# Allegro board RK_NVR_DEMO_RK3568_DDR4P216SD4_V12_20201221YWQ_final.brd (continued)
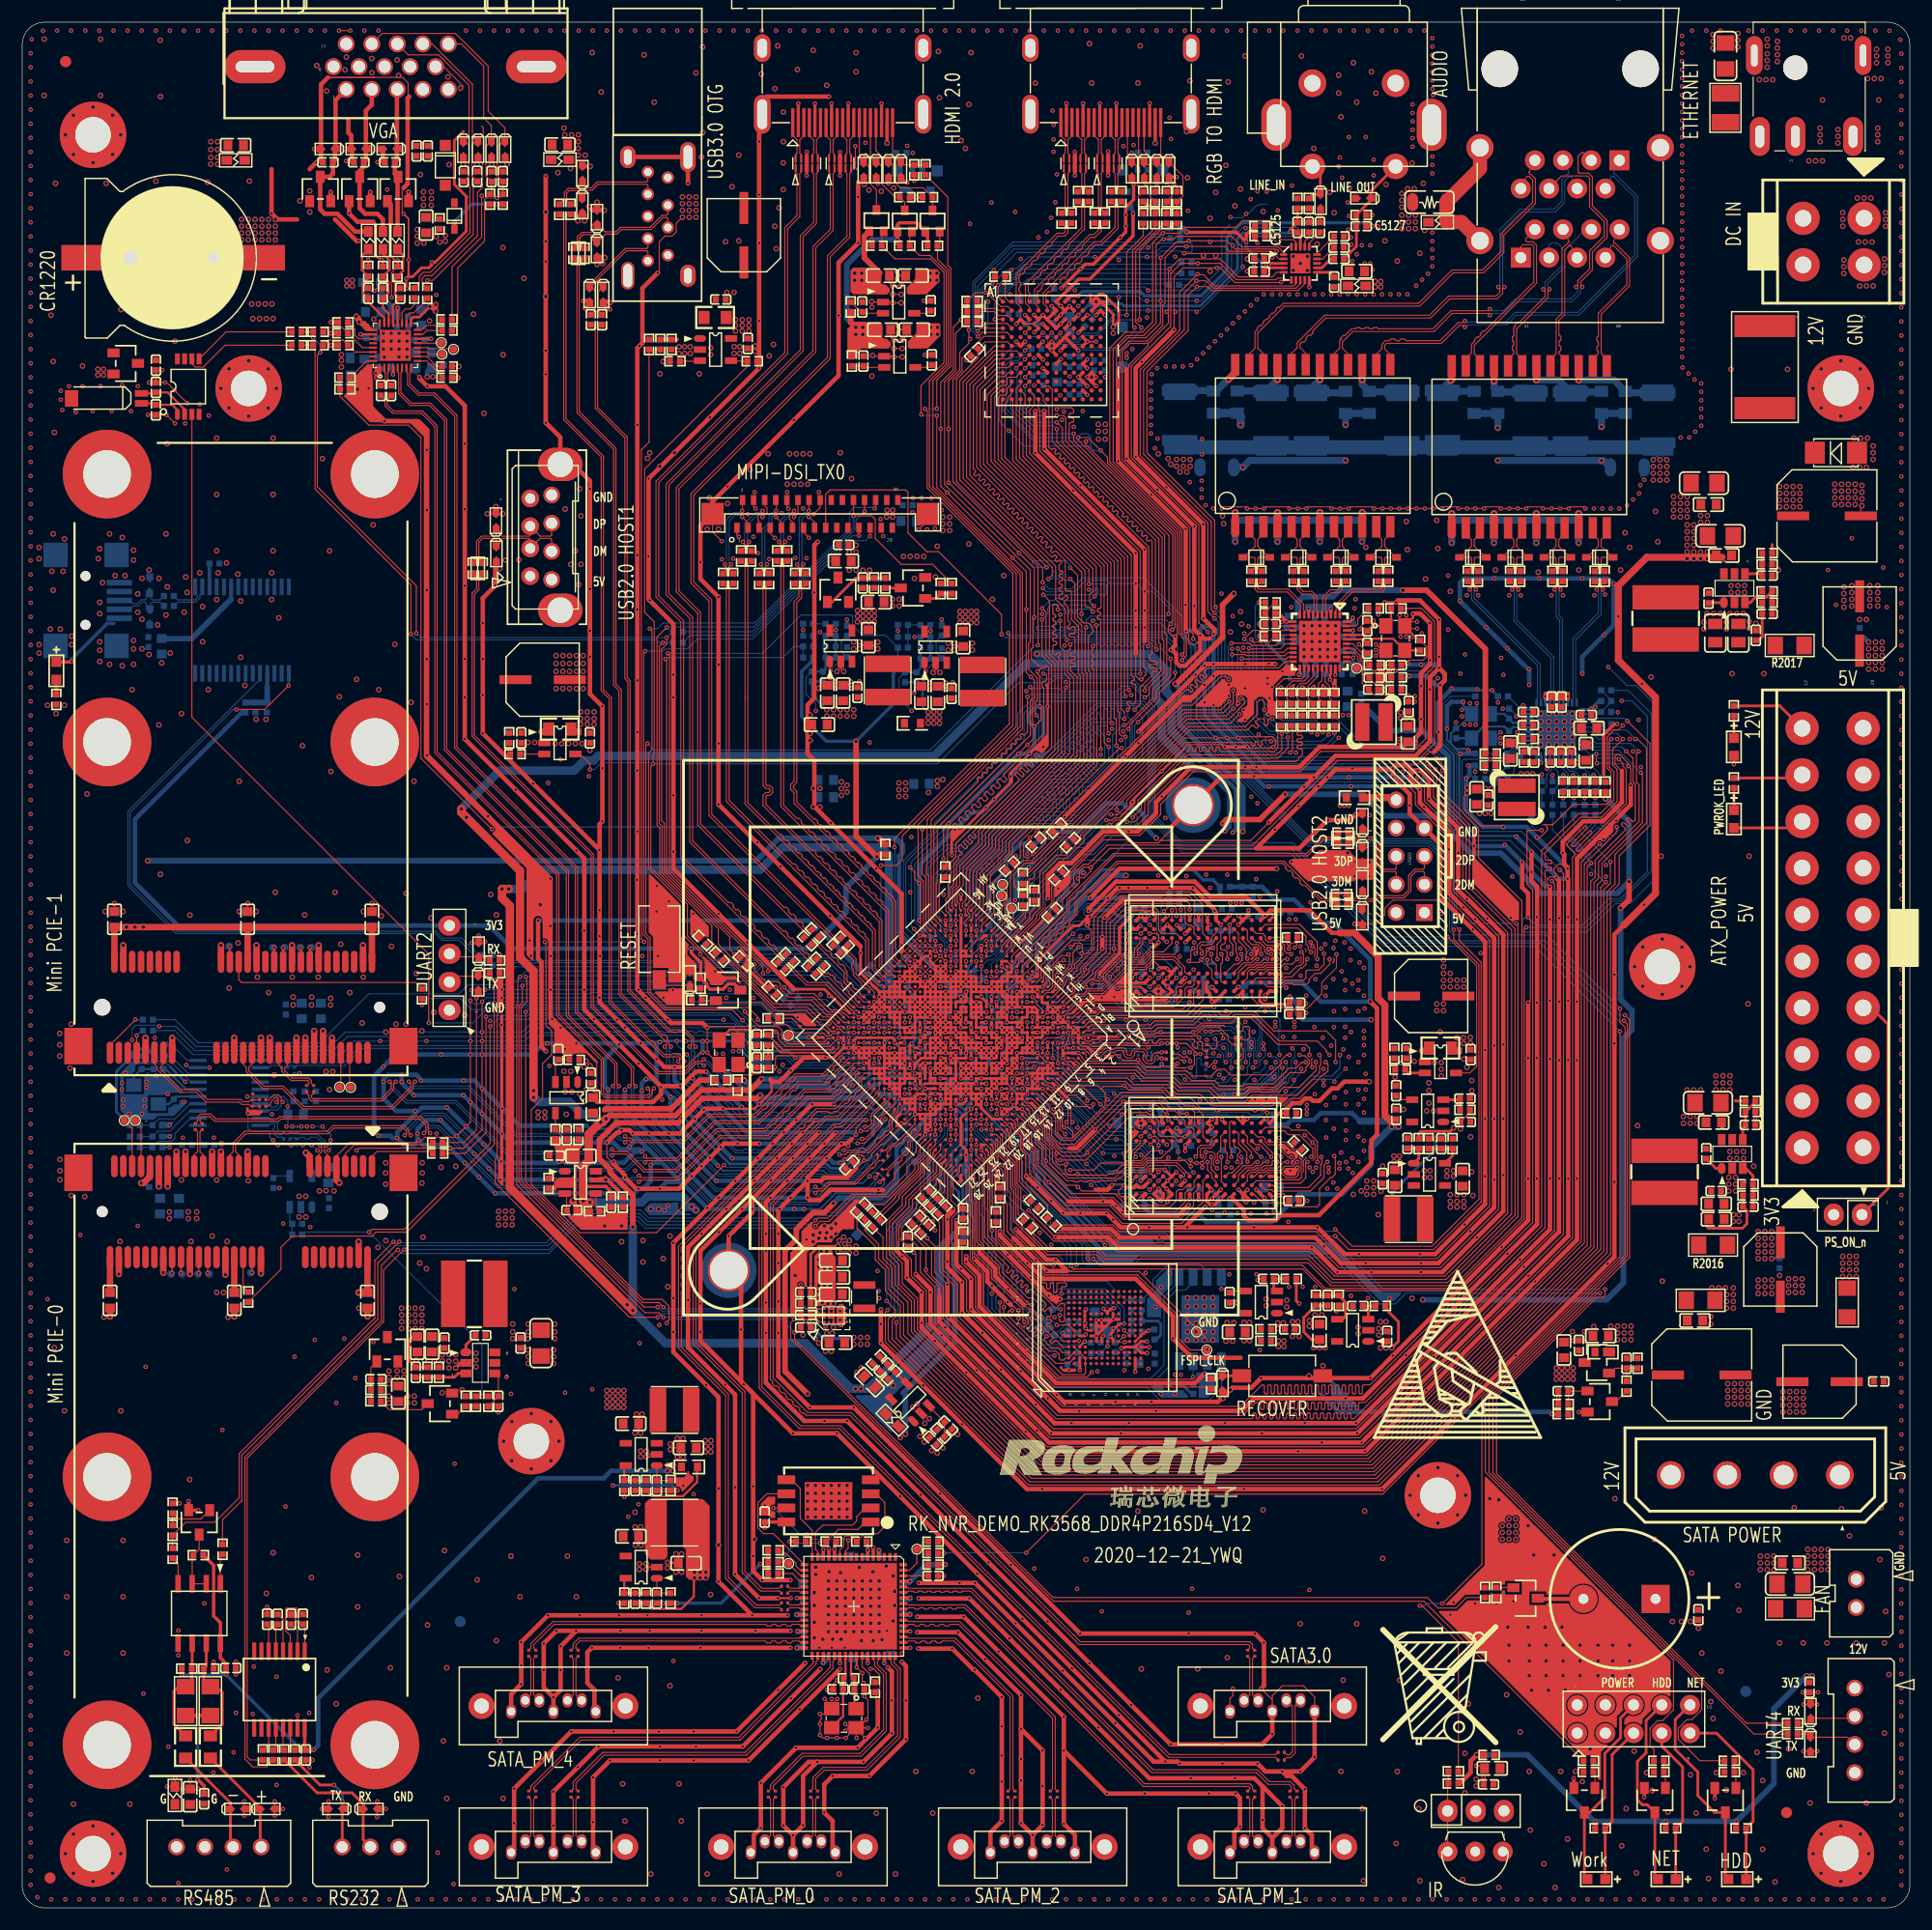
[diagram p0: board, top side]
## Placement (name value [footprint] x y rotation side) (continued)
R6717  4.7K  [R0402]  135.7 105.37 0 top
R6718  4.7K  [R0402]  135.3 103.75 90 top
R6719  4.7K  [R0402]  131.36 102.97 180 bottom
R6720  4.7K  [R0402]  132.28 103 180 top
R6721  4.7K  [R0402]  131.36 101.76 180 bottom
R6722  2.49K  [R0402]  133.42 109.21 180 bottom
R6724  4.7K  [R0402]  141.75 101.11 90 bottom
R6725  4.7K  [R0402]  141.74 101.03 270 top
R6726  4.7K  [R0402]  136.92 101.11 90 bottom
R6727  4.7K  [R0402]  137.89 101.11 90 bottom
R6728  4.7K  [R0402]  138.85 101.11 90 bottom
R6729  4.7K  [R0402]  138.85 101.03 270 top
R6730  4.7K  [R0402]  139.82 101.11 90 bottom
R6731  4.7K  [R0402]  139.82 101.03 270 top
R6732  0R  [R0402]  142.65 101.03 90 top
R6733  4.7K  [R0402]  140.78 101.11 90 bottom
R6734  4.7K  [R0402]  140.78 101.03 270 top
R6736  0R  [R0402]  132.28 104.04 0 top
R6737  1.8K  [R0402]  142.72 106.72 180 bottom
R6738  4.7K  [R0402]  142.72 108.79 0 bottom
R6739  0R  [R0402]  142.72 109.75 180 bottom
R6740  22R  [R0402]  138.85 98.97 270 bottom
R6741  22R  [R0402]  139.82 98.97 270 bottom
R6742  22R  [R0402]  140.78 98.97 270 bottom
R6743  22R  [R0402]  141.75 98.97 270 bottom
R6744  22R  [R0402]  136.92 98.97 270 bottom
R6745  22R  [R0402]  137.89 98.97 270 bottom
R6746  75R  [R0805]  144.44 135.7 270 bottom
R6747  75R  [R0805]  142.3 135.7 270 bottom
R6748  75R  [R0805]  132.95 135.7 270 bottom
R6749  75R  [R0805]  130.82 135.7 270 bottom
R6800  0R  [R0402]  110.74 120.04 90 top
R6801  0R  [R0402]  111.66 120.04 90 top
R6802  0R  [R0402]  114.55 120.04 90 top
R6803  0R  [R0402]  115.47 120.04 90 top
R6804  0R  [R0402]  125.97 113.8 90 top
R6805  0R  [R0402]  118.36 120.04 90 top
R6806  0R  [R0402]  119.28 120.04 90 top
R6807  0R  [R0402]  122.17 120.04 90 top
R6808  0R  [R0402]  123.78 117.14 180 top
R6809  0R  [R0402]  123.09 120.04 90 top
R6810  100R  [R0402]  121.83 112.02 180 top
R6813  120R  [R0402]  122.89 112.09 180 bottom
R6817  4.7K  [R0402]  119.47 113.29 180 bottom
R6818  4.7K  [R0402]  119.87 111.68 90 bottom
R6819  4.7K  [R0402]  123.81 110.92 0 top
R6820  4.7K  [R0402]  122.89 110.92 0 bottom
R6821  4.7K  [R0402]  123.81 109.79 0 top
R6822  2.49K  [R0402]  121.75 117.14 0 top
R6823  4.7K  [R0402]  113.42 109.01 270 top
R6825  4.7K  [R0402]  118.25 109.01 90 top
R6826  4.7K  [R0402]  118.2 108.98 270 bottom
R6827  4.7K  [R0402]  117.28 109.01 90 top
R6828  4.7K  [R0402]  116.32 109.01 90 top
R6829  4.7K  [R0402]  116.32 108.99 270 bottom
R6830  4.7K  [R0402]  115.35 109.01 90 top
R6831  4.7K  [R0402]  115.35 108.99 270 bottom
R6832  0R  [R0402]  120.67 108.99 90 bottom
R6833  4.7K  [R0402]  114.39 109.01 90 top
R6834  4.7K  [R0402]  114.39 108.99 270 bottom
R6836  0R  [R0402]  114.46 116.48 180 bottom
R6837  1.8K  [R0402]  112.45 114.64 0 top
R6838  4.7K  [R0402]  112.45 116.71 180 top
R6839  0R  [R0402]  112.45 117.68 0 top
R6840  22R  [R0402]  116.32 107 270 top
R6841  22R  [R0402]  115.35 107 270 top
R6842  22R  [R0402]  114.39 107 270 top
R6843  22R  [R0402]  113.42 107 270 top
R6844  22R  [R0402]  118.25 107 270 top
R6845  22R  [R0402]  117.28 107 270 top
R6846  75R  [R0805]  121.37 135.7 270 bottom
R6847  75R  [R0805]  119.24 135.7 270 bottom
R6848  75R  [R0805]  109.47 135.74 270 bottom
R6849  75R  [R0805]  107.34 135.74 270 bottom
R7000  10K  [R0402]  115.93 153.64 90 top
R7001  10K  [R0402]  114.91 153.64 90 top
R7002  10K  [R0402]  111.53 151.61 0 top
R7003  10K  [R0402]  111.53 150.7 180 top
R7004  10K  [R0402]  131.81 28.42 90 top
R7005  51K  [R0402]  132.83 28.42 270 top
R7006  10K  [R0402]  120.65 152.6 0 top
R8300  100K  [R0402]  82.07 30.95 180 top
R8301  0R  [R0402]  82.07 31.97 180 top
R8302  4.7K  [R0402]  82.07 33 180 top
R8303  12K  [R0402]  76.83 19.89 270 top
R8304  1M  [R0402]  74.46 20.69 180 top
R8305  4.7K  [R0402]  67.66 32.23 0 top
R8306  4.7K  [R0402]  67.66 31.16 0 top
R8307  0R  [R0402]  67.66 30.14 0 top
R8308  0R  [R0603]  60.12 39.74 0 top
R8309  10K  [R0402]  58.42 38.07 90 top
R8310  150K  [R0402]  56.22 38.07 90 top
R8311  33K  [R0402]  54.25 38.07 270 top
R8312  10K  [R0402]  58.42 27.91 90 top
R8313  100K  [R0402]  56.22 27.91 90 top
R8314  100K  [R0402]  54.25 27.91 270 top
R8320  10K  [R0402]  72.9 33.02 180 top
R8321  10K  [R0402]  75.64 33.02 180 top
R8322  10K  [R0402]  70.15 33.02 0 top
R8500  0R  [R0402]  37.44 68.99 180 top
R8501  0R  [R0402]  37.44 68 180 top
R8502  0R  [R0402]  20.37 55.07 90 top
R8503  0R  [R0402]  11.33 80.06 180 bottom
R8504  0R  [R0402]  11.33 79.08 180 bottom
R8505  0R  [R0402]  36.02 82.4 90 top
R8506  10K  [R0402]  10.16 70.54 0 bottom
R8507  10K  [R0402]  12.19 70.54 0 bottom
R8508  10K  [R0402]  10.16 68.55 0 bottom
R8509  10K  [R0402]  12.19 68.55 0 bottom
R8510  10K  [R0402]  10.16 69.52 0 bottom
R8511  10K  [R0402]  12.19 69.52 0 bottom
R8512  4.7K  [R0402]  10.36 76.79 0 bottom
R8513  10K  [R0402]  12.4 76.79 0 bottom
R8514  10K  [R0402]  24.77 60.68 180 bottom
R8515  DNP  [R0402]  24.77 61.66 0 bottom
R8516  33R  [R0201]  23.85 69.9 0 bottom
R8517  33R  [R0201]  23.85 69.29 0 bottom
R8518  49.9R  [R0201]  24.74 70.15 90 bottom
R8519  49.9R  [R0201]  24.74 69.03 270 bottom
R8520  33R  [R0201]  21.67 72.85 180 top
R8521  33R  [R0201]  21.67 72.24 180 top
R8522  49.9R  [R0201]  20.78 71.98 270 top
R8523  49.9R  [R0201]  20.78 73.1 90 top
R8524  22R  [R0402]  12.29 75.61 0 bottom
R8525  33R  [R0201]  23.65 75.75 0 bottom
R8526  33R  [R0201]  23.65 76.36 0 bottom
R8527  470R  [R0402]  12.4 77.83 180 bottom
R8528  49.9R  [R0201]  24.54 76.62 90 bottom
R8529  49.9R  [R0201]  24.54 75.5 270 bottom
R8530  2.2R  [R0402]  26.47 73.15 90 bottom
R8531  10K  [R0402]  41.99 45.66 270 top
R8532  232K  [R0402]  36.52 48.27 270 top
R8533  49.9K  [R0402]  37.55 48.27 90 top
R9000  10K  [R0402]  128.95 11.21 180 top
R9001  22R  [R0402]  128.95 12.31 180 top
R9002  22R  [R0402]  132.18 13.78 0 top
R9003  1K  [R0402]  142.18 7.17 0 top
R9004  1K  [R0402]  154.88 7.17 0 top
R9005  1K  [R0402]  148.53 7.17 0 top
R9006  10K  [R0402]  141.12 13.26 0 top
R9007  10K  [R0402]  153.82 13.26 0 top
R9008  10K  [R0402]  147.47 13.26 0 top
R9009  51K  [R0402]  141.12 12.24 180 top
R9010  51K  [R0402]  153.82 12.24 180 top
R9011  51K  [R0402]  147.47 12.24 180 top
R9100  100R  [R0402]  42.57 85.4 180 top
R9101  100R  [R0402]  42.57 84.26 180 top
R9102  0R  [R0402]  20.1 108.2 90 bottom
R9103  2.2K  [R0402]  3.08 108.92 270 top
R9104  22R  [R0402]  13.22 117.36 180 bottom
R9105  22R  [R0402]  13.22 118.25 180 bottom
R9106  0R  [R0402]  41.93 85.89 180 bottom
R9107  0R  [R0402]  41.93 84.95 180 bottom
R9500  100R  [R0402]  159.52 16.65 0 top
R9501  100R  [R0402]  159.52 15.66 0 top
R9502  10K  [R0402]  15.87 31.79 180 top
R9503  3.3K  [R0402]  14.83 21.56 0 top
R9504  22R  [R0402]  18.05 32.32 270 top
R9505  60.4R  [R1206]  16.96 18.63 270 top
R9506  60.4R  [R1206]  14.72 18.63 270 top
R9507  22R  [R0402]  13.55 31.96 270 top
R9508  3.3K  [R0402]  16.81 21.56 0 top
R9509  10K  [R0402]  13.55 34.03 90 top
R9510  51K  [R0402]  13.55 36.01 90 top
R9511  22R  [R0402]  22.65 13.78 270 top
R9512  22R  [R0402]  24.58 13.78 270 top
R9513  22R  [R0402]  21.68 13.78 270 top
R9514  22R  [R0402]  23.61 13.78 270 top
R9515  0R  [R0805]  16.96 14.5 270 top
R9516  0R  [R0805]  14.72 14.5 270 top
R9605  10K  [R0402]  40.89 45.66 270 top
R9606  100K  [R0402]  31.87 45.66 0 top
R9608  51K  [R0402]  39.96 45.66 90 top
R9609  1M  [R0402]  31.87 46.68 180 top
SW1201  TS-1125HS  [SW2_6R00X3R70X2R50]  57.41 83.67 0 top
SW1500  TS-1125HS  [SW2_6R00X3R70X2R50]  109.88 47.96 270 top
TP1201  TP_0.7  [TP_0R70]  69.04 78.64 0 top
TP1301  TP_0.7  [TP_0R70]  93.01 51.61 180 bottom
TP1302  TP_0.7  [TP_0R70]  92.81 53.95 180 bottom
TP1303  TP_0.7  [TP_0R70]  106.73 50.29 270 top
TP1304  TP_0.7  [TP_0R70]  105.82 51.92 90 top
TP1305  TP_0.7  [TP_0R70]  80.42 67.26 180 bottom
TP1306  TP_0.7  [TP_0R70]  79.5 68.17 180 bottom
TP1601  TP_0.7  [TP_0R70]  88.34 92.25 0 top
TP1602  TP_0.7  [TP_0R70]  88.24 91.24 0 top
TP1603  TP_0.7  [TP_0R70]  89.15 90.12 0 top
TP5900  TP_0.7  [TP_0R70]  37.82 140.04 90 top
TP5901  TP_0.7  [TP_0R70]  38.86 140.49 270 top
TP5902  TP_0.7  [TP_0R70]  37.76 141.09 270 top
TP6700  TP_0.7  [TP_0R70]  134.94 103.81 90 bottom
TP6801  TP_0.7  [TP_0R70]  120.23 111.74 90 top
TP8301  TP_0.7  [TP_0R70]  80.61 32.33 270 top
TP8302  TP_0.7  [TP_0R70]  69.05 31.02 270 top
TP8500  TP_0.7  [TP_0R70]  20.6 57.24 180 bottom
TP8501  TP_0.7  [TP_0R70]  16.85 57.14 180 bottom
TP8502  TP_0.7  [TP_0R70]  15.85 57.14 180 bottom
TP8503  TP_0.7  [TP_0R70]  14.39 57.14 180 bottom
TP8504  TP_0.7  [TP_0R70]  13.41 57.14 180 bottom
TP8505  TP_0.7  [TP_0R70]  10.2 70.98 180 top
TP8506  TP_0.7  [TP_0R70]  9.19 70.98 180 top
TP8507  TP_0.7  [TP_0R70]  18.64 86.66 180 bottom
TP8508  TP_0.7  [TP_0R70]  22.61 86.56 180 bottom
TP8509  TP_0.7  [TP_0R70]  23.62 86.56 180 bottom
TP8510  TP_0.7  [TP_0R70]  25.04 86.56 180 bottom
TP8511  TP_0.7  [TP_0R70]  26.03 86.56 180 bottom
TP8512  TP_0.7  [TP_0R70]  28.61 73.99 0 top
TP8513  TP_0.7  [TP_0R70]  29.59 73.96 0 top
U1000  RK3568  [BGA636_19R00X19R00X1R20]  84.58 78.44 225 top
U1201  TCS9819  [SOT_23]  63.6 82.74 270 top
U2000  SY8113B  [SOT_23_6]  154.08 67.95 90 top
U2001  SY8113B  [SOT_23_6]  154.28 118.95 90 top
U2100  LP3983S  [SOT_23_5]  48.89 66.39 0 top
U2101  SY8089AAC  [SOT_23_5]  125.4 67.11 0 top
U2102  ETA3446  [SOT_23_5]  81.3 112.24 90 top
U2103  ETA3446  [SOT_23_5]  72.77 112.34 90 top
U2104  TCS4525  [CSP20_1R96X1R56X0R66]  73.1 53.39 90 top
U2105  RT9013-18GB  [SOT_23_5]  121.29 51.06 180 top
U2106  RT9013-18GB  [SOT_23_5]  80.29 43.87 135 top
U2200  HYM8563TS  [TSSOP8_3R10X3R10X1R10]  14.96 137.13 90 top
U2201  LP3983S  [SOT_23_5]  50.05 74.44 270 top
U2300  RT9193-18GB  [SOT_23_5]  113.06 53.6 180 top
U2500  SY6280AAC  [SOT_23_5]  61.07 141.47 0 top
U2501  SY6280AAC  [SOT_23_5]  47.04 106.01 0 top
U2502  SY6280AAC  [SOT_23_5]  126.39 77.26 0 top
U3300  DDR4_16bit_SDP  [FBGA96_14R00X11R00X1R20]  106.39 85.82 90 top
U3301  DDR4_16bit_SDP  [FBGA96_14R00X11R00X1R20]  106.39 67.54 90 top
U3302  PT5108E23E-25  [SOT_23_5]  128.04 70.84 180 top
U4000  EMMC_B153_2L  [BGA153_13RX11R5X0R9_2L]  97.54 52.3 90 top
U4302  GD5F2GQ5REYIG  [WSON8_8R00X6R00X0R80_T]  106.14 53.08 0 bottom
U5000  ESD5304D  [SON10_2R50X1R00X0R50]  70.69 157.25 0 top
U5001  ESD5304D  [SON10_2R50X1R00X0R50]  73.69 157.25 0 top
U5100  RK616  [BGA144_10R00X10R00X1R40]  92.76 140.39 0 top
U5101  RT9193-33GB  [SOT_23_5]  77.57 145.74 0 top
U5102  ESD5304D  [SON10_2R50X1R00X0R50]  94.85 157.25 0 top
U5103  RT9193-12GB  [SOT_23_5]  77.67 140.86 0 top
U5104  ESD5304D  [SON10_2R50X1R00X0R50]  97.85 157.25 0 top
U5900  RTD2166  [QFN32_4R00X4R00X0R90_T]  33.62 140.84 90 top
U6700  RTL8211F-CG  [QFN40_5R00X5R00X0R90_T]  138.25 106.22 270 bottom
U6701  H5007  [SOIC24_17R53X12R20X5R51]  135.79 131.7 0 top
U6800  RTL8211F-CG  [QFN40_5R00X5R00X0R90_T]  116.92 114.15 270 top
U6801  H5007  [SOIC24_17R53X12R20X5R51]  116.29 131.8 0 top
U7000  ES8311  [QFN20_3R00X3R00X0R55_T]  115.16 148.23 0 top
U8300  JMB575  [QFN64_9R00X9R00X0R90_T]  74.93 27.18 270 top
U8301  W25X40CLNIG/SOIC-8  [WSON8_8R00X6R00X0R80_T]  72.65 36.68 90 top
U8302  SY8089AAC  [SOT_23_5]  57.18 39.87 180 top
U8303  SY8089AAC  [SOT_23_5]  57.18 29.71 180 top
U8500  RT9193-33GB  [SOT_23_5]  26.11 63.17 90 bottom
U8501  PI6C557-05BLE  [TSSOP20_6R50X4R40X1R20]  18.64 73.46 0 bottom
U8502  SY8113B  [SOT_23_6]  41.28 49.12 0 top
U9100  FT232RL  [SSOP28_10R20X5R30X2R00]  19.8 115.18 180 bottom
U9500  SIT3485E  [SOP8_4R00X5R00X1R75]  15.95 26.53 180 top
U9501  SIT3232E  [SSOP16_5R60X6R50X2R00]  23.18 19.67 270 top
Y1200  24MHz  [CRY4_3R20X2R50X0R80]  63.65 77.11 90 top
Y2200  32.768KHz  [CRY2_6R90X1R40X1R30]  7.3 136.06 180 top
Y6700  25MHz  [CRY4_3R20X2R50X0R80]  131.44 106.52 270 bottom
Y6800  25MHz  [CRY4_3R20X2R50X0R80]  123.73 114.45 270 top
Y8300  25MHz  [CRY4_3R20X2R50X0R80]  74.04 17.09 180 top
Y8500  25MHz  [CRY4_3R20X2R50X0R80]  11.15 73.3 180 bottom

## Library data of the parts
BP7000 = BEEP_0
C1000-C1007 C1009-C1014 C1017-C1023 C1100-C1105 C1200-C1203 C1205-C1214 C1300 C1301 C1400-C1415 C1500 C1508 C1510 C1511 C1517 C1604 C1605 C1700 C1701 C1716-C1724 C1800 C1801 C1900 C2001-C2007 C2009-C2015 C2017-C2025 C2028 C2030 C2100-C2118 C2120 C2122-C2142 C2145 C2150 C2151 C2200-C2206 C2300-C2303 C2502 C2504-C2506 C2510 C2512 C3300-C3323 C3325-C3345 C4000-C4009 C4304 C4305 C5000 C5100-C5123 C5125-C5130 C5200 C5201 C5203-C5206 C5900-C5929 C6700 C6701 C6703-C6722 C6725-C6729 C6800 C6801 C6803-C6822 C6825-C6828 C7000-C7010 C8310 C8313 C8319 C8320 C8328-C8341 C8346-C8359 C8502-C8506 C8509-C8533 C9000-C9002 C9100-C9104 C9500-C9508 C9516 C9517 = CAP NP
C1708-C1710 C1712 = CAP NP: signal model: CAP_NP_C0201_100NF_100nF
C2000 C2008 C2016 C2027 C2029 C2503 C2507 C2511 = CAP
C2500 C2501 = CAP NP: signal model: CAP_NP_C0402_100NF_100nF
C8300-C8309 C8311 C8312 C8314-C8318 C8321-C8327 C8342-C8345 = CAP NP: signal model: CAP_NP_C0201_10NF_10nF
C8500 C8501 C8507 C8508 = CAP NP: signal model: CAP_NP_C0201_220NF_220nF
D1201 D1500 D2500-D2502 D2504-D2507 D2510 D2513-D2516 D5900 D5901 D5903-D5907 D7000 D7001 D9100-D9103 ED5000-ED5003 ED5100-ED5103 ED6701-ED6704 ED6801-ED6804 ED9500-ED9505 = DIODE BI_DIR TRIG
D2000 D5000 D5001 D5100-D5103 D5902 D5908 = DIODE
D2200 = DIODE Double
D5910-D5912 = BAV99
D6701-D6704 D6801-D6804 = BA301N_1
D6705-D6708 D6805-D6808 = BA301N_3
F2000 F2001 = FUSE
FB2100 FB5900-FB5906 FB6701 FB7000 FB9500 = BEAD
H9900-H9907 = Hole
IR9000 = IRM_0
J2000 = CON4_5
J2001 = DCJACK_3P
J2002 = CON4_3
J2003 = CON4_8
J2004 = CON2_1X2
J2005 = SATA_IDE_DIP_0
J2200 = CON_BATTERY-20MM
J2500 = USB30_TYPE_A_V_2
J2501 J9500 J9501 = CON4_0
J2502 = HEADER-USB_0
J2503 = USB20_TYPE_A
J5000 J5100 = HDMI_TYPE_A_0
J5200 = LCD_Hitachi_TX05D99VM1AAA_2
J5900 = VGA_0
J6700 = RJSAE5F8002
J7001 = JP_AV1-8_1.4-5G
J8300-J8305 = SATA_DIP_0
J8500 J8501 = Mini_PCIe_Socket_3
J9000 J9502 = CON3_1X3
J9001 = CON20_0
J9100 = HEADER 4_2
J9101 = USB20_MINI
J9900 = Radiator_0
L2000 L2001 L2100-L2103 L6700 L6800 L8300 L8301 L8500 = INDUCTORS OF FERRITE
L2500-L2503 = INDUCTOR COM
LED2001 LED2002 LED9000-LED9002 LED9100 = LED
M9900-M9905 = MARK
Q2100 Q5200 Q9502 = MOSFET P
Q2101 Q5201 Q7000 Q9000-Q9002 Q9500 Q9501 = NPN
Q5000-Q5002 = MOSFET N
R1100 R1200-R1210 R1311 R1400-R1403 R1406-R1408 R1410 R1500-R1502 R1713 R1901 R1902 R1904-R1906 R2001 R2004-R2007 R2009-R2012 R2016-R2021 R2100-R2133 R2135 R2136 R2202-R2206 R2300-R2304 R2500 R2501 R2508 R2510-R2512 R2514 R2516 R2518 R2523-R2527 R2531-R2533 R3300 R3301 R3312-R3319 R3321-R3323 R3325 R4003-R4006 R4311 R4312 R5000-R5006 R5008 R5105 R5107 R5109 R5111-R5126 R5201-R5204 R5219 R5220 R5900-R5919 R6700-R6709 R6711 R6717-R6722 R6724-R6734 R6736-R6739 R6746-R6749 R6800-R6809 R6813 R6817-R6823 R6825-R6834 R6836-R6839 R6846-R6849 R7000-R7006 R8300-R8314 R8320-R8322 R8500-R8515 R8518 R8519 R8522-R8533 R9000-R9011 R9100-R9103 R9106 R9107 R9500-R9516 R9605 R9606 R9608 R9609 = RESISTOR
R1310 R1508-R1513 R1515 R1641 R1643 R1645 R1650 R1652 R1654 R1660 R1813 R6740-R6745 R6840-R6845 R9104 R9105 = RESISTOR: signal model: RESISTOR_R0402_22R_22R
R1516 R1667 R1803 R2505 R2506 R3320 R4000 R4002 R5205-R5214 = RESISTOR: signal model: RESISTOR_R0402_0R_0R
R1704-R1711 R2502 R2503 R2513 R2515 R5100-R5104 R5106 R5108 R5110 = RESISTOR: signal model: RESISTOR_R0402_2.2R_2.2R
R3302-R3311 = RESISTOR: signal model: RESISTOR_R0201_22R_22R
R6710 R6810 = RESISTOR: signal model: RESISTOR_R0402_100R_100R
R8516 R8517 R8520 R8521 = RESISTOR: signal model: RESISTOR_R0201_33R_33R
SW1201 SW1500 = KEY_2PIN
TP1201 TP1301-TP1306 TP1601-TP1603 TP5900-TP5902 TP6700 TP6801 TP8301 TP8302 TP8500-TP8513 = TP
U1000 = SOC_RK3568
U1201 = Voltage_Detector_CE8809
U2000 U2001 U8502 = DCDC_SY8113
U2100 U2201 = LDO_LP3983S
U2101-U2103 U8302 U8303 = DCDC_SY8088
U2104 = DCDC_SY827
U2105 U2106 U2300 U3302 U5101 U5103 U8500 = LDO_PT5108
U2200 = RTC_HYM8563
U2500-U2502 = SWITCH_SY6280
U3300 U3301 = DDR4_16bit
U4000 = INAND_EMMC_153_2L
U4302 U8301 = SPI_FLASH_8PIN_T_0
U5000 U5001 U5102 U5104 = ESD_ESD5304D
U5100 = SOC_RK616
U5900 = RTD2166
U6700 U6800 = Ethernet_RTL8211F
U6701 U6801 = Ethernet_H5007
U7000 = CODEC_ES8316_1
U8300 = JMB575
U8501 = PI6C557-05BLE_0: Tolerance: VAL*
U9100 = Interface_FT232RL
U9500 = MAX3485_0
U9501 = MAX3232/SIT3232E
Y1200 Y6700 Y6800 Y8300 Y8500 = CRYSTAL_4P
Y2200 = CRYSTAL_2P_1G

## Footprints (pads in the part's own frame, mm; a bottom-side part is the same pattern mirrored in y, then rotated)
BA301N
  rect 1x3.2 smd: 1(-2.25,0) 2(2.25,0)
BAT_CR1220
  round 1.3 hole 1.3 unplated: (-3.75,0)
  round 1 hole 1 unplated: (3.75,0)
  rect 4.35x2.3 smd: 1(-7.815,0)
  rect 4.04x2.3 smd: 2(8.15,0)
BEEP_650
  rect 2.54x2.54 hole 0.9: 1(0,0)
  round 2.54 hole 0.9: 2(6.5,0)
BGA144_10R00X10R00X1R40
  round 0.4 smd: A1(-4.4,4.4) A2(-3.6,4.4) A3(-2.8,4.4) A4(-2,4.4) A5(-1.2,4.4) A6(-0.4,4.4) A7(0.4,4.4) A8(1.2,4.4) A9(2,4.4) A10(2.8,4.4) A11(3.6,4.4) A12(4.4,4.4) B1(-4.4,3.6) B2(-3.6,3.6) B3(-2.8,3.6) B4(-2,3.6) B5(-1.2,3.6) B6(-0.4,3.6) B7(0.4,3.6) B8(1.2,3.6) B9(2,3.6) B10(2.8,3.6) B11(3.6,3.6) B12(4.4,3.6) C1(-4.4,2.8) C2(-3.6,2.8) C3(-2.8,2.8) C4(-2,2.8) C5(-1.2,2.8) C6(-0.4,2.8) C7(0.4,2.8) C8(1.2,2.8) C9(2,2.8) C10(2.8,2.8) C11(3.6,2.8) C12(4.4,2.8) D1(-4.4,2) D2(-3.6,2) D3(-2.8,2) D4(-2,2) D5(-1.2,2) D6(-0.4,2) D7(0.4,2) D8(1.2,2) D9(2,2) D10(2.8,2) D11(3.6,2) D12(4.4,2) E1(-4.4,1.2) E2(-3.6,1.2) E3(-2.8,1.2) E4(-2,1.2) E5(-1.2,1.2) E6(-0.4,1.2) E7(0.4,1.2) E8(1.2,1.2) E9(2,1.2) E10(2.8,1.2) E11(3.6,1.2) E12(4.4,1.2) F1(-4.4,0.4) F2(-3.6,0.4) F3(-2.8,0.4) F4(-2,0.4) F5(-1.2,0.4) F6(-0.4,0.4) F7(0.4,0.4) F8(1.2,0.4) F9(2,0.4) F10(2.8,0.4) F11(3.6,0.4) F12(4.4,0.4) G1(-4.4,-0.4) G2(-3.6,-0.4) G3(-2.8,-0.4) G4(-2,-0.4) G5(-1.2,-0.4) G6(-0.4,-0.4) G7(0.4,-0.4) G8(1.2,-0.4) G9(2,-0.4) G10(2.8,-0.4) G11(3.6,-0.4) G12(4.4,-0.4) H1(-4.4,-1.2) H2(-3.6,-1.2) H3(-2.8,-1.2) H4(-2,-1.2) H5(-1.2,-1.2) H6(-0.4,-1.2) H7(0.4,-1.2) H8(1.2,-1.2) H9(2,-1.2) H10(2.8,-1.2) H11(3.6,-1.2) H12(4.4,-1.2) J1(-4.4,-2) J2(-3.6,-2) J3(-2.8,-2) J4(-2,-2) J5(-1.2,-2) J6(-0.4,-2) J7(0.4,-2) J8(1.2,-2) J9(2,-2) J10(2.8,-2) J11(3.6,-2) J12(4.4,-2) K1(-4.4,-2.8) K2(-3.6,-2.8) K3(-2.8,-2.8) K4(-2,-2.8) K5(-1.2,-2.8) K6(-0.4,-2.8) K7(0.4,-2.8) K8(1.2,-2.8) K9(2,-2.8) K10(2.8,-2.8) K11(3.6,-2.8) K12(4.4,-2.8) L1(-4.4,-3.6) L2(-3.6,-3.6) L3(-2.8,-3.6) L4(-2,-3.6) L5(-1.2,-3.6) L6(-0.4,-3.6) L7(0.4,-3.6) L8(1.2,-3.6) L9(2,-3.6) L10(2.8,-3.6) L11(3.6,-3.6) L12(4.4,-3.6) M1(-4.4,-4.4) M2(-3.6,-4.4) M3(-2.8,-4.4) M4(-2,-4.4) M5(-1.2,-4.4) M6(-0.4,-4.4) M7(0.4,-4.4) M8(1.2,-4.4) M9(2,-4.4) M10(2.8,-4.4) M11(3.6,-4.4) M12(4.4,-4.4)
BGA153_13RX11R5X0R9_2L
  round 0.3 smd: A2(-2.75,3.25) A3(-2.25,3.25) A4(-1.75,3.25) A5(-1.25,3.25) A6(-0.75,3.25) A7(-0.25,3.25) A8(0.25,3.25) A9(0.75,3.25) A10(1.25,3.25) A11(1.75,3.25) A12(2.25,3.25) A13(2.75,3.25) A14(3.25,3.25) B1(-3.25,2.75) B2(-2.75,2.75) B3(-2.25,2.75) B4(-1.75,2.75) B5(-1.25,2.75) B6(-0.75,2.75) B7(-0.25,2.75) B8(0.25,2.75) B9(0.75,2.75) B10(1.25,2.75) B11(1.75,2.75) B12(2.25,2.75) B13(2.75,2.75) B14(3.25,2.75) C1(-3.25,2.25) C2(-2.75,2.25) C3(-2.25,2.25) C4(-1.75,2.25) C6(-0.75,2.25) C7(-0.25,2.25) C8(0.25,2.25) C9(0.75,2.25) C10(1.25,2.25) C11(1.75,2.25) C12(2.25,2.25) C13(2.75,2.25) C14(3.25,2.25) D1(-3.25,1.75) D2(-2.75,1.75) D3(-2.25,1.75) D4(-1.75,1.75) D12(2.25,1.75) D13(2.75,1.75) D14(3.25,1.75) E1(-3.25,1.25) E2(-2.75,1.25) E3(-2.25,1.25) E5(-1.25,1.25) E6(-0.75,1.25) E7(-0.25,1.25) E8(0.25,1.25) E9(0.75,1.25) E10(1.25,1.25) E12(2.25,1.25) E13(2.75,1.25) E14(3.25,1.25) F1(-3.25,0.75) F2(-2.75,0.75) F3(-2.25,0.75) F5(-1.25,0.75) F10(1.25,0.75) F12(2.25,0.75) F13(2.75,0.75) F14(3.25,0.75) G1(-3.25,0.25) G2(-2.75,0.25) G3(-2.25,0.25) G5(-1.25,0.25) G10(1.25,0.25) G12(2.25,0.25) G13(2.75,0.25) G14(3.25,0.25) H1(-3.25,-0.25) H2(-2.75,-0.25) H3(-2.25,-0.25) H5(-1.25,-0.25) H10(1.25,-0.25) H12(2.25,-0.25) H13(2.75,-0.25) H14(3.25,-0.25) J1(-3.25,-0.75) J2(-2.75,-0.75) J3(-2.25,-0.75) J5(-1.25,-0.75) J10(1.25,-0.75) J12(2.25,-0.75) J13(2.75,-0.75) J14(3.25,-0.75) K1(-3.25,-1.25) K2(-2.75,-1.25) K3(-2.25,-1.25) K5(-1.25,-1.25) K6(-0.75,-1.25) K7(-0.25,-1.25) K8(0.25,-1.25) K9(0.75,-1.25) K10(1.25,-1.25) K12(2.25,-1.25) K13(2.75,-1.25) K14(3.25,-1.25) L1(-3.25,-1.75) L2(-2.75,-1.75) L3(-2.25,-1.75) L12(2.25,-1.75) L13(2.75,-1.75) L14(3.25,-1.75) M1(-3.25,-2.25) M2(-2.75,-2.25) M3(-2.25,-2.25) M4(-1.75,-2.25) M5(-1.25,-2.25) M6(-0.75,-2.25) M7(-0.25,-2.25) M8(0.25,-2.25) M9(0.75,-2.25) M10(1.25,-2.25) M11(1.75,-2.25) M12(2.25,-2.25) M13(2.75,-2.25) M14(3.25,-2.25) N1(-3.25,-2.75) N2(-2.75,-2.75) N3(-2.25,-2.75) N4(-1.75,-2.75) N5(-1.25,-2.75) N6(-0.75,-2.75) N7(-0.25,-2.75) N8(0.25,-2.75) N9(0.75,-2.75) N10(1.25,-2.75) N11(1.75,-2.75) N12(2.25,-2.75) N13(2.75,-2.75) N14(3.25,-2.75) P1(-3.25,-3.25) P2(-2.75,-3.25) P3(-2.25,-3.25) P4(-1.75,-3.25) P5(-1.25,-3.25) P6(-0.75,-3.25) P7(-0.25,-3.25) P8(0.25,-3.25) P9(0.75,-3.25) P10(1.25,-3.25) P11(1.75,-3.25) P12(2.25,-3.25) P13(2.75,-3.25) P14(3.25,-3.25)
BGA636_19R00X19R00X1R20
  round 0.3 smd: A1(-8.775,8.775) A2(-8.125,8.775) A3(-7.475,8.775) A4(-6.825,8.775) A5(-6.175,8.775) A6(-5.525,8.775) A7(-4.875,8.775) A8(-4.225,8.775) A9(-3.575,8.775) A10(-2.925,8.775) A11(-2.275,8.775) A12(-1.625,8.775) A13(-0.975,8.775) A14(-0.325,8.775) A15(0.325,8.775) A16(0.975,8.775) A17(1.625,8.775) A18(2.275,8.775) A19(2.925,8.775) A20(3.575,8.775) A21(4.225,8.775) A22(4.875,8.775) A23(5.525,8.775) A24(6.175,8.775) A25(6.825,8.775) A26(7.475,8.775) A27(8.125,8.775) A28(8.775,8.775) AA1(-8.775,-4.225) AA2(-8.125,-4.225) AA3(-7.475,-4.225) AA4(-6.825,-4.225) AA5(-6.175,-4.225) AA6(-5.525,-4.225) AA7(-4.875,-4.225) AA9(-3.575,-4.225) AA11(-2.275,-4.225) AA12(-1.625,-4.225) AA14(-0.325,-4.225) AA15(0.325,-4.225) AA17(1.625,-4.225) AA18(2.275,-4.225) AA20(3.575,-4.225) AA22(4.875,-4.225) AA23(5.525,-4.225) AA24(6.175,-4.225) AA25(6.825,-4.225) AA26(7.475,-4.225) AA27(8.125,-4.225) AA28(8.775,-4.225) AB1(-8.775,-4.875) AB2(-8.125,-4.875) AB5(-6.175,-4.875) AB6(-5.525,-4.875) AB8(-4.225,-4.875) AB9(-3.575,-4.875) AB11(-2.275,-4.875) AB12(-1.625,-4.875) AB14(-0.325,-4.875) AB15(0.325,-4.875) AB17(1.625,-4.875) AB18(2.275,-4.875) AB20(3.575,-4.875) AB21(4.225,-4.875) AB23(5.525,-4.875) AB24(6.175,-4.875) AB27(8.125,-4.875) AB28(8.775,-4.875) AC1(-8.775,-5.525) AC2(-8.125,-5.525) AC3(-7.475,-5.525) AC4(-6.825,-5.525) AC5(-6.175,-5.525) AC7(-4.875,-5.525) AC8(-4.225,-5.525) AC9(-3.575,-5.525) AC11(-2.275,-5.525) AC12(-1.625,-5.525) AC14(-0.325,-5.525) AC15(0.325,-5.525) AC17(1.625,-5.525) AC18(2.275,-5.525) AC20(3.575,-5.525) AC21(4.225,-5.525) AC22(4.875,-5.525) AC24(6.175,-5.525) AC25(6.825,-5.525) AC26(7.475,-5.525) AC27(8.125,-5.525) AC28(8.775,-5.525) AD1(-8.775,-6.175) AD2(-8.125,-6.175) AD3(-7.475,-6.175) AD4(-6.825,-6.175) AD6(-5.525,-6.175) AD7(-4.875,-6.175) AD8(-4.225,-6.175) AD9(-3.575,-6.175) AD11(-2.275,-6.175) AD12(-1.625,-6.175) AD14(-0.325,-6.175) AD15(0.325,-6.175) AD17(1.625,-6.175) AD18(2.275,-6.175) AD20(3.575,-6.175) AD21(4.225,-6.175) AD22(4.875,-6.175) AD23(5.525,-6.175) AD25(6.825,-6.175) AD26(7.475,-6.175) AD27(8.125,-6.175) AD28(8.775,-6.175) AE1(-8.775,-6.825) AE2(-8.125,-6.825) AE3(-7.475,-6.825) AE5(-6.175,-6.825) AE6(-5.525,-6.825) AE8(-4.225,-6.825) AE9(-3.575,-6.825) AE11(-2.275,-6.825) AE12(-1.625,-6.825) AE14(-0.325,-6.825) AE15(0.325,-6.825) AE17(1.625,-6.825) AE18(2.275,-6.825) AE20(3.575,-6.825) AE21(4.225,-6.825) AE23(5.525,-6.825) AE24(6.175,-6.825) AE26(7.475,-6.825) AE27(8.125,-6.825) AE28(8.775,-6.825) AF1(-8.775,-7.475) AF2(-8.125,-7.475) AF3(-7.475,-7.475) AF4(-6.825,-7.475) AF5(-6.175,-7.475) AF6(-5.525,-7.475) AF8(-4.225,-7.475) AF9(-3.575,-7.475) AF11(-2.275,-7.475) AF12(-1.625,-7.475) AF14(-0.325,-7.475) AF15(0.325,-7.475) AF17(1.625,-7.475) AF18(2.275,-7.475) AF20(3.575,-7.475) AF21(4.225,-7.475) AF23(5.525,-7.475) AF24(6.175,-7.475) AF25(6.825,-7.475) AF26(7.475,-7.475) AF27(8.125,-7.475) AF28(8.775,-7.475) AG1(-8.775,-8.125) AG2(-8.125,-8.125) AG3(-7.475,-8.125) AG4(-6.825,-8.125) AG5(-6.175,-8.125) AG6(-5.525,-8.125) AG7(-4.875,-8.125) AG8(-4.225,-8.125) AG9(-3.575,-8.125) AG10(-2.925,-8.125) AG11(-2.275,-8.125) AG12(-1.625,-8.125) AG13(-0.975,-8.125) AG14(-0.325,-8.125) AG15(0.325,-8.125) AG16(0.975,-8.125) AG17(1.625,-8.125) AG18(2.275,-8.125) AG19(2.925,-8.125) AG20(3.575,-8.125) AG21(4.225,-8.125) AG22(4.875,-8.125) AG23(5.525,-8.125) AG24(6.175,-8.125) AG25(6.825,-8.125) AG26(7.475,-8.125) AG27(8.125,-8.125) AG28(8.775,-8.125) AH1(-8.775,-8.775) AH2(-8.125,-8.775) AH3(-7.475,-8.775) AH4(-6.825,-8.775) AH5(-6.175,-8.775) AH6(-5.525,-8.775) AH7(-4.875,-8.775) AH8(-4.225,-8.775) AH9(-3.575,-8.775) AH10(-2.925,-8.775) AH11(-2.275,-8.775) AH12(-1.625,-8.775) AH13(-0.975,-8.775) AH14(-0.325,-8.775) AH15(0.325,-8.775) AH16(0.975,-8.775) AH17(1.625,-8.775) AH18(2.275,-8.775) AH19(2.925,-8.775) AH20(3.575,-8.775) AH21(4.225,-8.775) AH22(4.875,-8.775) AH23(5.525,-8.775) AH24(6.175,-8.775) AH25(6.825,-8.775) AH26(7.475,-8.775) AH27(8.125,-8.775) AH28(8.775,-8.775) B1(-8.775,8.125) B2(-8.125,8.125) B3(-7.475,8.125) B4(-6.825,8.125) B5(-6.175,8.125) B6(-5.525,8.125) B7(-4.875,8.125) B8(-4.225,8.125) B9(-3.575,8.125) B10(-2.925,8.125) B11(-2.275,8.125) B12(-1.625,8.125) B13(-0.975,8.125) B14(-0.325,8.125) B15(0.325,8.125) B16(0.975,8.125) B17(1.625,8.125) B18(2.275,8.125) B19(2.925,8.125) B20(3.575,8.125) B21(4.225,8.125) B22(4.875,8.125) B23(5.525,8.125) B24(6.175,8.125) B25(6.825,8.125) B26(7.475,8.125) B27(8.125,8.125) B28(8.775,8.125) C1(-8.775,7.475) C2(-8.125,7.475) C3(-7.475,7.475) C4(-6.825,7.475) C5(-6.175,7.475) C6(-5.525,7.475) C8(-4.225,7.475) C9(-3.575,7.475) C11(-2.275,7.475) C12(-1.625,7.475) C14(-0.325,7.475) C15(0.325,7.475) C17(1.625,7.475) C18(2.275,7.475) C20(3.575,7.475) C21(4.225,7.475) C23(5.525,7.475) C24(6.175,7.475) C25(6.825,7.475) C26(7.475,7.475) C27(8.125,7.475) C28(8.775,7.475) D1(-8.775,6.825) D2(-8.125,6.825) D3(-7.475,6.825) D5(-6.175,6.825) D6(-5.525,6.825) D8(-4.225,6.825) D9(-3.575,6.825) D11(-2.275,6.825) D12(-1.625,6.825) D14(-0.325,6.825) D15(0.325,6.825) D17(1.625,6.825) D18(2.275,6.825) D20(3.575,6.825) D21(4.225,6.825) D23(5.525,6.825) D24(6.175,6.825) D26(7.475,6.825) D27(8.125,6.825) D28(8.775,6.825) E1(-8.775,6.175) E2(-8.125,6.175) E3(-7.475,6.175) E4(-6.825,6.175) E6(-5.525,6.175) E7(-4.875,6.175) E8(-4.225,6.175) E9(-3.575,6.175) E11(-2.275,6.175) E12(-1.625,6.175) E14(-0.325,6.175) E15(0.325,6.175) E17(1.625,6.175) E18(2.275,6.175) E20(3.575,6.175) E21(4.225,6.175) E22(4.875,6.175) E23(5.525,6.175) E25(6.825,6.175) E26(7.475,6.175) E27(8.125,6.175) E28(8.775,6.175) F1(-8.775,5.525) F2(-8.125,5.525) F3(-7.475,5.525) F4(-6.825,5.525) F5(-6.175,5.525) F7(-4.875,5.525) F8(-4.225,5.525) F9(-3.575,5.525) F11(-2.275,5.525) F12(-1.625,5.525) F14(-0.325,5.525) F15(0.325,5.525) F17(1.625,5.525) F18(2.275,5.525) F20(3.575,5.525) F21(4.225,5.525) F22(4.875,5.525) F24(6.175,5.525) F25(6.825,5.525) F26(7.475,5.525) F27(8.125,5.525) F28(8.775,5.525) G1(-8.775,4.875) G2(-8.125,4.875) G5(-6.175,4.875) G6(-5.525,4.875) G8(-4.225,4.875) G9(-3.575,4.875) G11(-2.275,4.875) G12(-1.625,4.875) G14(-0.325,4.875) G15(0.325,4.875) G17(1.625,4.875) G18(2.275,4.875) G20(3.575,4.875) G21(4.225,4.875) G23(5.525,4.875) G24(6.175,4.875) G27(8.125,4.875) G28(8.775,4.875) H1(-8.775,4.225) H2(-8.125,4.225) H3(-7.475,4.225) H4(-6.825,4.225) H5(-6.175,4.225) H6(-5.525,4.225) H7(-4.875,4.225) H9(-3.575,4.225) H11(-2.275,4.225) H12(-1.625,4.225) H14(-0.325,4.225) H15(0.325,4.225) H17(1.625,4.225) H18(2.275,4.225) H20(3.575,4.225) H22(4.875,4.225) H23(5.525,4.225) H24(6.175,4.225) H25(6.825,4.225) H26(7.475,4.225) H27(8.125,4.225) H28(8.775,4.225) J1(-8.775,3.575) J2(-8.125,3.575) J3(-7.475,3.575) J4(-6.825,3.575) J5(-6.175,3.575) J6(-5.525,3.575) J7(-4.875,3.575) J8(-4.225,3.575) J9(-3.575,3.575) J11(-2.275,3.575) J12(-1.625,3.575) J14(-0.325,3.575) J15(0.325,3.575) J17(1.625,3.575) J18(2.275,3.575) J20(3.575,3.575) J21(4.225,3.575) J22(4.875,3.575) J23(5.525,3.575) J24(6.175,3.575) J25(6.825,3.575) J26(7.475,3.575) J27(8.125,3.575) J28(8.775,3.575) K1(-8.775,2.925) K2(-8.125,2.925) K10(-2.925,2.925) K11(-2.275,2.925) K12(-1.625,2.925) K13(-0.975,2.925) K14(-0.325,2.925) K15(0.325,2.925) K16(0.975,2.925) K17(1.625,2.925) K18(2.275,2.925) K19(2.925,2.925) K27(8.125,2.925) K28(8.775,2.925) L1(-8.775,2.275) L2(-8.125,2.275) L3(-7.475,2.275) L4(-6.825,2.275) L5(-6.175,2.275) L6(-5.525,2.275) L7(-4.875,2.275) L8(-4.225,2.275) L9(-3.575,2.275) L10(-2.925,2.275) L11(-2.275,2.275) L12(-1.625,2.275) L13(-0.975,2.275) L14(-0.325,2.275) L15(0.325,2.275) L16(0.975,2.275) L17(1.625,2.275) L18(2.275,2.275) L19(2.925,2.275) L20(3.575,2.275) L21(4.225,2.275) L22(4.875,2.275) L23(5.525,2.275) L24(6.175,2.275) L25(6.825,2.275) L26(7.475,2.275) L27(8.125,2.275) L28(8.775,2.275) M1(-8.775,1.625) M2(-8.125,1.625) M3(-7.475,1.625) M4(-6.825,1.625) M5(-6.175,1.625) M6(-5.525,1.625) M7(-4.875,1.625) M8(-4.225,1.625) M9(-3.575,1.625) M10(-2.925,1.625) M11(-2.275,1.625) M12(-1.625,1.625) M13(-0.975,1.625) M14(-0.325,1.625) M15(0.325,1.625) M16(0.975,1.625) M17(1.625,1.625) M18(2.275,1.625) M19(2.925,1.625) M20(3.575,1.625) M21(4.225,1.625) M22(4.875,1.625) M23(5.525,1.625) M24(6.175,1.625) M25(6.825,1.625) M26(7.475,1.625) M27(8.125,1.625) M28(8.775,1.625) N1(-8.775,0.975) N2(-8.125,0.975) N10(-2.925,0.975) N11(-2.275,0.975) N12(-1.625,0.975) N13(-0.975,0.975) N14(-0.325,0.975) N15(0.325,0.975) N16(0.975,0.975) N17(1.625,0.975) N18(2.275,0.975) N19(2.925,0.975) N27(8.125,0.975) N28(8.775,0.975) P1(-8.775,0.325) P2(-8.125,0.325) P3(-7.475,0.325) P4(-6.825,0.325) P5(-6.175,0.325) P6(-5.525,0.325) P7(-4.875,0.325) P8(-4.225,0.325) P9(-3.575,0.325) P10(-2.925,0.325) P11(-2.275,0.325) P12(-1.625,0.325) P13(-0.975,0.325) P14(-0.325,0.325) P15(0.325,0.325) P16(0.975,0.325) P17(1.625,0.325) P18(2.275,0.325) P19(2.925,0.325) P20(3.575,0.325) P21(4.225,0.325) P22(4.875,0.325) P23(5.525,0.325) P24(6.175,0.325) P25(6.825,0.325) P26(7.475,0.325) P27(8.125,0.325) P28(8.775,0.325) R1(-8.775,-0.325) R2(-8.125,-0.325) R3(-7.475,-0.325) R4(-6.825,-0.325) R5(-6.175,-0.325) R6(-5.525,-0.325) R7(-4.875,-0.325) R8(-4.225,-0.325) R9(-3.575,-0.325) R10(-2.925,-0.325) R11(-2.275,-0.325) R12(-1.625,-0.325) R13(-0.975,-0.325) R14(-0.325,-0.325) R15(0.325,-0.325) R16(0.975,-0.325) R17(1.625,-0.325) R18(2.275,-0.325) R19(2.925,-0.325) R20(3.575,-0.325) R21(4.225,-0.325) R22(4.875,-0.325) R23(5.525,-0.325) R24(6.175,-0.325) R25(6.825,-0.325) R26(7.475,-0.325) R27(8.125,-0.325) R28(8.775,-0.325) T1(-8.775,-0.975) T2(-8.125,-0.975) T10(-2.925,-0.975) T11(-2.275,-0.975) T12(-1.625,-0.975) T13(-0.975,-0.975) T14(-0.325,-0.975) T15(0.325,-0.975) T16(0.975,-0.975) T17(1.625,-0.975) T18(2.275,-0.975) T19(2.925,-0.975) T27(8.125,-0.975) T28(8.775,-0.975) U1(-8.775,-1.625) U2(-8.125,-1.625) U3(-7.475,-1.625) U4(-6.825,-1.625) U5(-6.175,-1.625) U6(-5.525,-1.625) U7(-4.875,-1.625) U8(-4.225,-1.625) U9(-3.575,-1.625) U10(-2.925,-1.625) U11(-2.275,-1.625) U12(-1.625,-1.625) U13(-0.975,-1.625) U14(-0.325,-1.625) U15(0.325,-1.625) U16(0.975,-1.625) U17(1.625,-1.625) U18(2.275,-1.625) U19(2.925,-1.625) U20(3.575,-1.625) U21(4.225,-1.625) U22(4.875,-1.625) U23(5.525,-1.625) U24(6.175,-1.625) U25(6.825,-1.625) U26(7.475,-1.625) U27(8.125,-1.625) U28(8.775,-1.625) V1(-8.775,-2.275) V2(-8.125,-2.275) V3(-7.475,-2.275) V4(-6.825,-2.275) V5(-6.175,-2.275) V6(-5.525,-2.275) V7(-4.875,-2.275) V8(-4.225,-2.275) V9(-3.575,-2.275) V10(-2.925,-2.275) V11(-2.275,-2.275) V12(-1.625,-2.275) V13(-0.975,-2.275) V14(-0.325,-2.275) V15(0.325,-2.275) V16(0.975,-2.275) V17(1.625,-2.275) V18(2.275,-2.275) V19(2.925,-2.275) V20(3.575,-2.275) V21(4.225,-2.275) V22(4.875,-2.275) V23(5.525,-2.275) V24(6.175,-2.275) V25(6.825,-2.275) V26(7.475,-2.275) V27(8.125,-2.275) V28(8.775,-2.275) W1(-8.775,-2.925) W2(-8.125,-2.925) W10(-2.925,-2.925) W11(-2.275,-2.925) W12(-1.625,-2.925) W13(-0.975,-2.925) W14(-0.325,-2.925) W15(0.325,-2.925) W16(0.975,-2.925) W17(1.625,-2.925) W18(2.275,-2.925) W19(2.925,-2.925) W27(8.125,-2.925) W28(8.775,-2.925) Y1(-8.775,-3.575) Y2(-8.125,-3.575) Y3(-7.475,-3.575) Y4(-6.825,-3.575) Y5(-6.175,-3.575) Y6(-5.525,-3.575) Y7(-4.875,-3.575) Y8(-4.225,-3.575) Y9(-3.575,-3.575) Y11(-2.275,-3.575) Y12(-1.625,-3.575) Y14(-0.325,-3.575) Y15(0.325,-3.575) Y17(1.625,-3.575) Y18(2.275,-3.575) Y20(3.575,-3.575) Y21(4.225,-3.575) Y22(4.875,-3.575) Y23(5.525,-3.575) Y24(6.175,-3.575) Y25(6.825,-3.575) Y26(7.475,-3.575) Y27(8.125,-3.575) Y28(8.775,-3.575)